# Altium PCB Fast_Servo.PCBDOC (part 5 of 7) (continued)
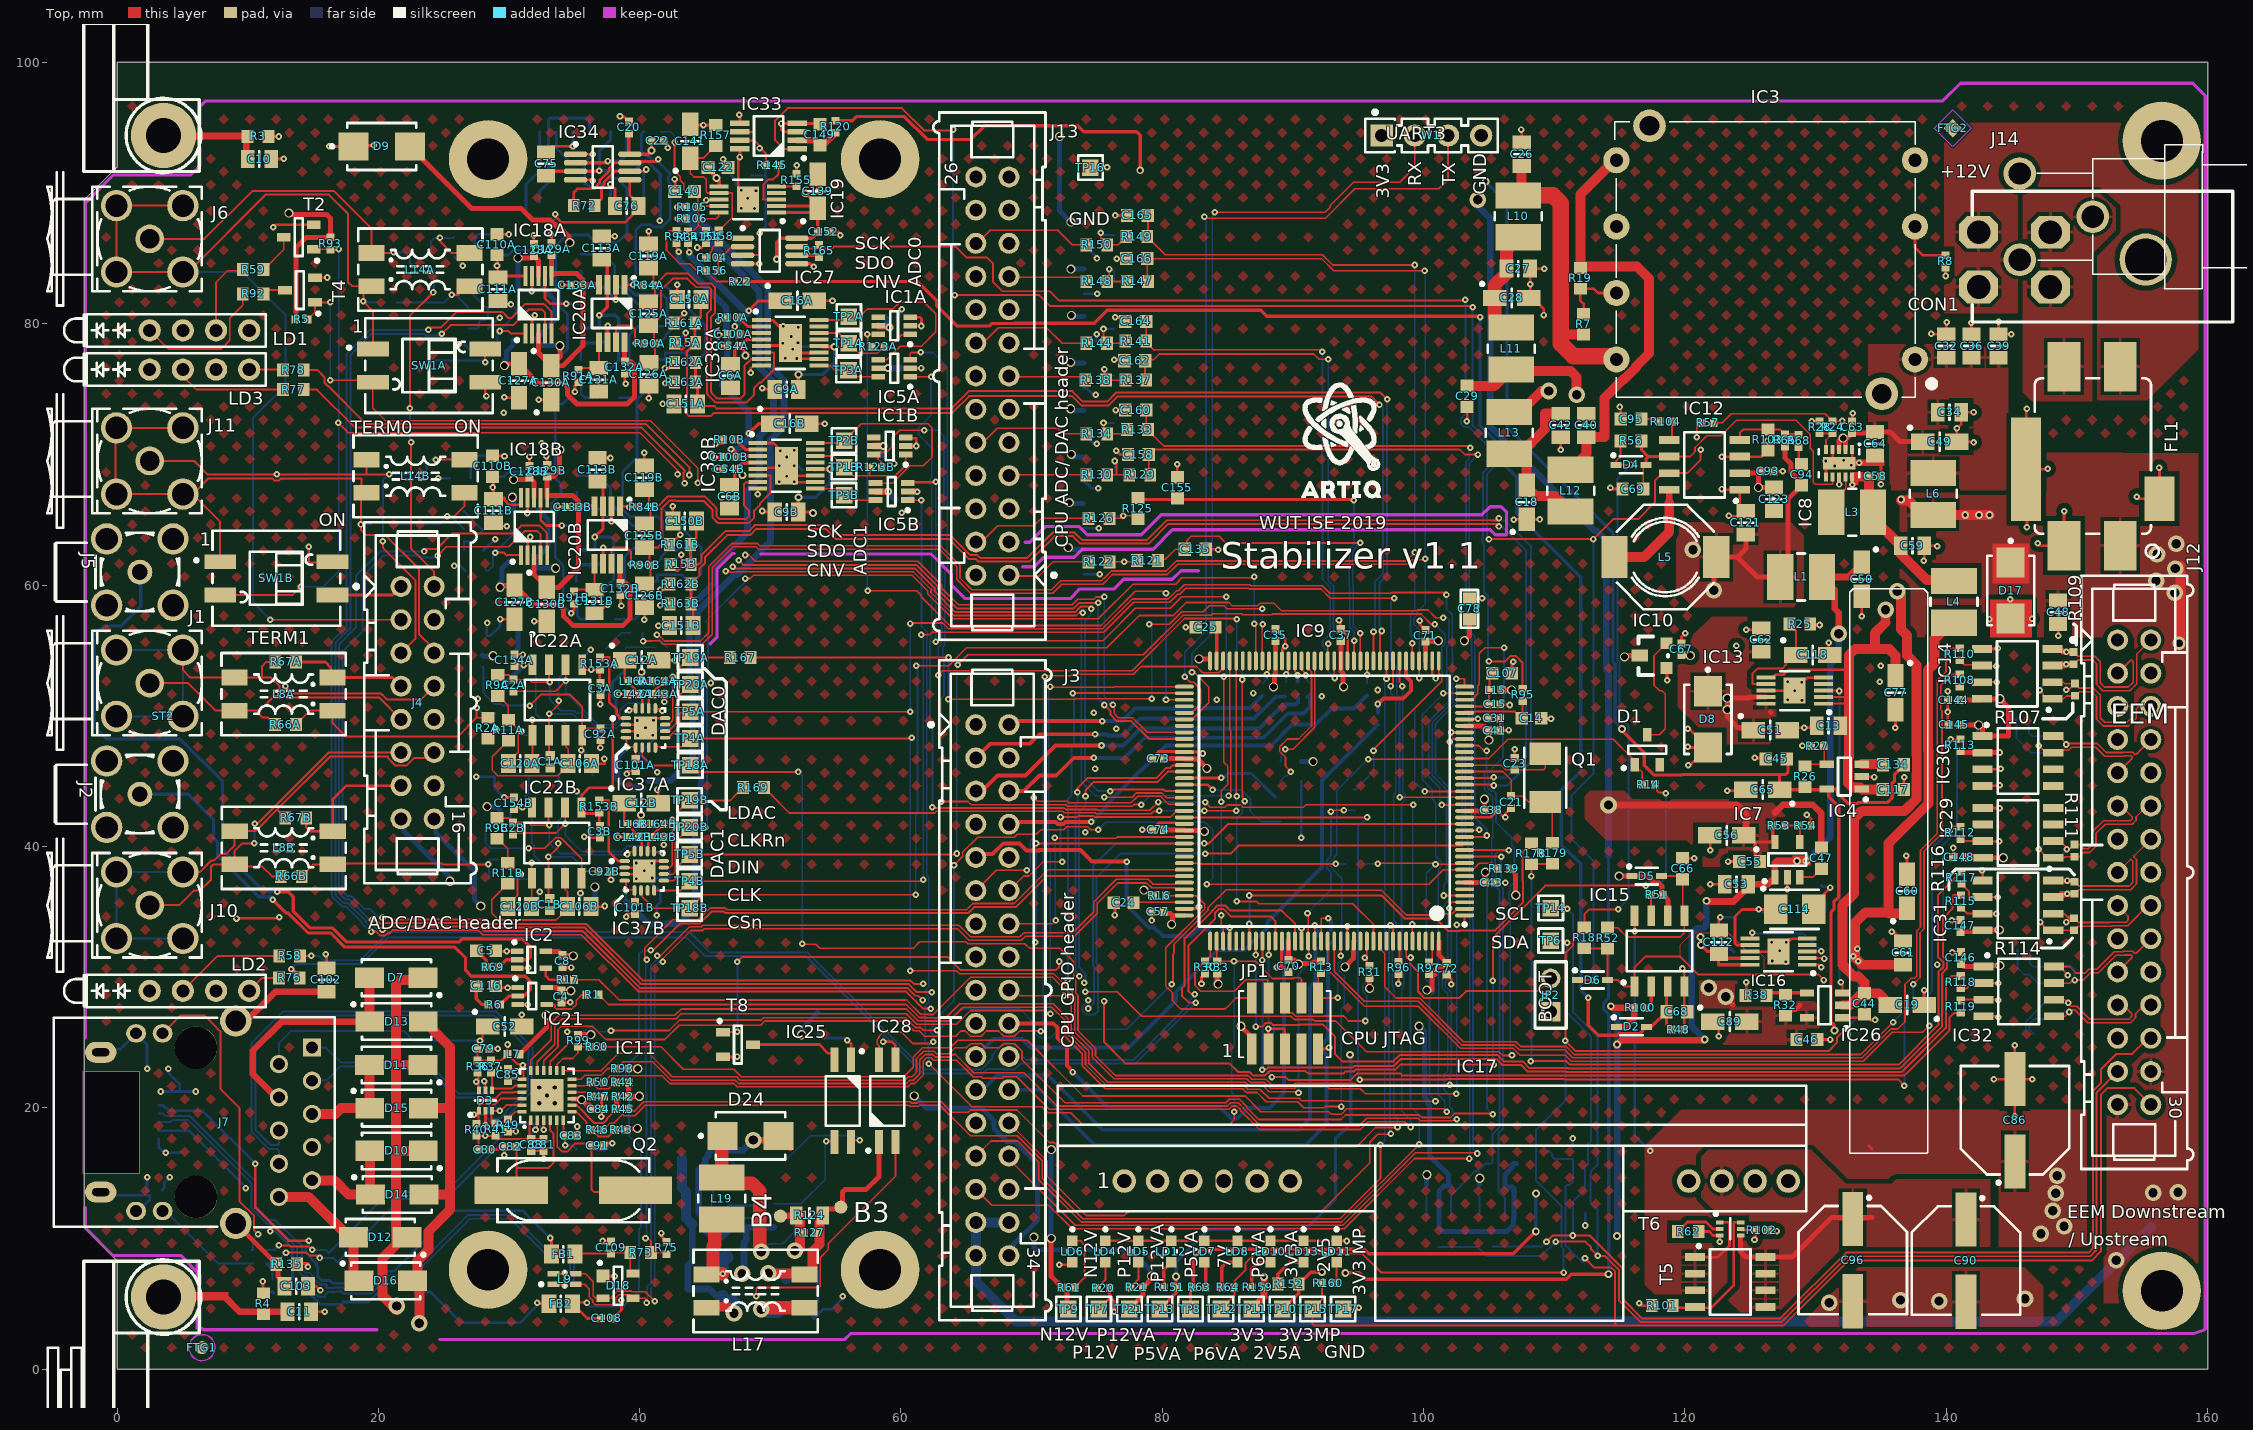
[diagram p0: Top view]
## Nets (pads, with @x,y where several pads share a name; then routed paths per layer and width w, separated by ;. In a path a pad name is that pad's centre, name@x,y a point inside that pad or via, vN(x,y) a via of type N, cw(c..) or ccw(c..) an arc to the next point about the centre after c; other vN are vias at no path point) (continued)
  Bot w0.152: v1(27.531,50.614) 27.986,50.159 D21A.3@28.981,50.159
NetD21B_3: D21B.3 L8B.1 R2B.2 R66B.1 | length 16.9
  Top w0.152: R66B.1@14.135,37.704 14.135,37.754 14.509,38.128 14.559,38.128 14.93,38.499 14.93,38.536 15.019,38.626 L8B.1@16.507,38.626 16.585,38.704 24.867,38.704 24.945,38.626 28.419,38.626 v1(28.427,38.633)
  Bot w0.152: R2B.2@28.457,37.5 28.473,37.516 28.473,38.928 28.555,39.009 D21B.3@29.157,39.009
NetD23_3: D23.3 R121.2 R122.1 | length 3
  Top w0.127: R122.1@75.95,61.777 v1(77.1,61.777) 77.9,61.777 R121.2@78.05,61.627
  Bot w0.127: D23.3@76.3,61.777 v1(77.1,61.777)
NetD25_3: D25.3 R125.2 R126.1 | length 3.1
  Top w0.127: R126.1@75.95,65.106 76.825,65.106 v1(77.025,65.306) 77.7,65.306 R125.2@78.05,64.956
  Bot w0.127: D25.3@76.225,65.306 v1(77.025,65.306)
NetD27_3: D27.3 R129.2 R130.1 | length 3.5
  Top w0.127: R130.1@75.779,68.436 76.5,68.436 ; v1(76.375,69.5) 76.5,69.375 76.5,68.436 ; R129.2@77.475,68.436 76.5,68.436
  Bot w0.127: D27.3@76.3,68.862 76.375,68.937 v1(76.375,69.5)
NetD29_3: D29.3 R133.2 R134.1 | length 3.4
  Top w0.127: v1(75.5,72.412) 75.5,71.859 R134.1@75.779,71.58 76.982,71.58 R133.2@77.3,71.898
  Bot w0.127: v1(75.5,72.412) D29.3@76.3,72.412
NetD31_3: D31.3 R137.2 R138.1 | length 3.3
  Top w0.127: v1(75.575,76.534) 75.575,75.812 R138.1@75.7,75.687 R137.2@77.175,75.687
  Bot w0.127: v1(75.575,76.534) 76.075,76.034 D31.3@76.3,76.034
NetD33_3: D33.3 R141.2 R144.1 | length 3.5
  Top w0.127: v1(75.5,79.605) 75.5,78.787 R144.1@75.775,78.512 R141.2@77.25,78.512
  Bot w0.127: v1(75.5,79.605) D33.3@76.325,79.605
NetD34_3: D34.3 R149.2 R150.1 | length 4
  Top w0.127: v1(75.3,86.966) 75.3,86.52 R150.1@75.779,86.041 76.625,86.041 R149.2@77.25,86.666
  Bot w0.127: v1(75.3,86.966) 75.475,86.791 D34.3@76.325,86.791
NetD35_3: D35.3 R147.2 R148.1 | length 3.8
  Top w0.127: v1(75.95,84.191) 75.95,83.412 R148.1@75.779,83.241 R147.2@77.3,83.241
  Bot w0.127: v1(75.95,84.191) 76.178,84.191 76.325,84.044 D35.3@76.325,83.241
NetFB1_2: FB1.2 J9.1 | length 43.4
  Top w0.203: v1(10.592,15.72) 10.588,15.717 10.588,12.364 13.123,9.83 v1(14.681,9.83) ; v1(33.155,10.033) 33.25,9.938 FB1.2@33.25,8.799
  Bot w0.203: J9.1@3.2,20.195 3.525,20.195 3.623,20.097 3.623,20.093 3.742,19.974 3.82,19.974 4.029,19.765 6.547,19.765 v1(10.592,15.72) ; v1(14.681,9.83) 14.628,9.776 14.628,9.505 14.451,9.329 14.451,8.932 14.941,8.442 14.941,8.397 15.263,8.076 15.263,7.871 15.371,7.763 15.371,7.066 15.651,6.786 16.299,6.786 16.506,6.579 19.416,6.579 20.314,7.477 21.165,7.477 25.804,12.116 31.073,12.116 v1(33.155,10.033)
NetFB2_2: FB2.2 J9.4 | length 40.2
  Top w0.203: v1(32.156,5.08) 32.156,5.022 32.178,5 FB2.2@33.072,5
  L3 w0.203: v1(9.855,13.843) 9.855,12.857 11.735,10.977 v1(11.735,10.541)
  Bot w0.203: J9.4@3.2,18.245 5.494,18.245 9.855,13.884 v1(9.855,13.843) ; v1(11.735,10.541) 12.117,10.541 13.416,9.242 13.411,9.237 13.411,8.594 13.437,8.569 13.437,7.081 15.561,4.957 17.14,4.957 17.317,5.134 19.264,5.134 20.693,6.563 22.132,6.563 22.793,5.901 23.995,5.901 26.352,3.544 30.848,3.544 32.156,4.853 v1(32.156,5.08)
NetIC1A_1: IC1A.1 IC38A.14 R123A.1 TP1A.1 | length 8.2
  Top w0.127: IC38A.14@53.737,79.294 55.229,79.294 TP1A.1@56.007,78.516 56.787,77.736 58.207,77.736 58.461,77.99 58.486,77.99 58.712,78.216 R123A.1@58.712,78.236 59.143,78.236 60.06,79.154 60.651,79.154 IC1A.1@60.701,79.204
NetIC1B_1: IC1B.1 IC38B.14 R123B.1 TP1B.1 | length 9.4
  Top w0.127: IC38B.14@53.439,69.883 54.801,69.883 TP1B.1@55.652,69.032 56.311,68.372 57.546,68.372 ; R123B.1@57.589,69.008 57.589,68.415 57.546,68.372 ; IC1B.1@60.356,69.997 60.356,69.17 59.559,68.372 57.546,68.372
NetIC2_2: IC2.2 J5.1 R69.2 | length 62.2
  Top w0.254: v1(12.268,36.535) 13.095,36.535 13.487,36.142 13.487,35.059 14.79,33.757 16.515,33.757 17.589,32.683 26.163,32.683 26.416,32.936 27.821,32.936 27.846,32.912 31.044,32.912 31.633,32.323 31.633,31.538 31.418,31.323 IC2.2@30.618,31.323 29.787,31.323 R69.2@29.223,30.76
  Bot w0.254: J5.1@1.25,61.062 1.829,60.483 1.829,58.395 0.305,56.871 -1.016,56.871 -1.778,56.109 -1.778,49.194 -0.801,48.217 4.844,48.217 8.077,44.983 8.077,39.736 11.279,36.535 v1(12.268,36.535)
NetIC2_4: IC2.4 R17.1 | length 1.9
  Top w0.203: IC2.4@32.818,30.673 32.818,30.077 33.099,29.796 R17.1@34.037,29.796
NetIC3_2: IC3.2 R8.2 | length 4.2
  Top w0.203: IC3.2@137.61,87.436 137.61,85.838 138.198,85.25 R8.2@139.95,85.25
NetIC3_6: IC3.6 R7.1 R19.2 | length 4.9
  Top w0.203: R7.1@112.25,80.776 112.25,81.513 112,81.763 R19.2@112,82.676 113.029,82.676 113.349,82.356 IC3.6@114.75,82.356
NetIC4_4: IC4.4 R26.1 R27.2 | length 3.3
  Top w0.127: R26.1@129.192,46.146 129.342,46.296 IC4.4@130.842,46.296 130.672,46.466 R27.2@130.672,47.846
NetIC5A_4: IC5A.4 IC38A.16 TP2A.1 | length 16.5
  Top w0.127: IC38A.16@53.737,80.294 55.746,80.294 TP2A.1@56.007,80.555 56.857,80.555 57.429,81.128 59.372,81.128 59.899,81.654 61.783,81.654 62.662,80.775 62.662,79.39 61.566,78.294 59.956,78.294 58.913,77.25 IC5A.4@58.251,77.25
NetIC5A_6: IC5A.6 IC38A.9 TP3A.1 | length 4.7
  Top w0.127: IC38A.9@53.901,76.791 54.604,76.791 54.936,76.459 TP3A.1@55.982,76.459 56.491,75.95 IC5A.6@58.251,75.95
NetIC5B_4: IC5B.4 IC38B.16 TP2B.1 | length 17.1
  Top w0.127: IC38B.16@53.439,70.883 55.477,70.883 TP2B.1@55.652,71.057 56.952,72.358 62.065,72.358 62.375,72.047 62.375,69.794 61.706,69.124 60.67,69.124 59.353,67.808 IC5B.4@58.059,67.808
NetIC5B_6: IC5B.6 IC38B.9 TP3B.1 | length 5.1
  Top w0.127: IC38B.9@53.325,67.372 IC38B.9@53.439,67.372 ; IC38B.9@53.439,67.383 55.151,67.383 TP3B.1@55.652,66.882 56.026,66.508 IC5B.6@58.059,66.508
NetIC7_4: IC7.4 R53.1 R54.2 | length 2.3
  Top w0.152: R53.1@127.662,41.596 R54.2@128.722,41.596 128.792,41.525 IC7.4@128.792,40.345
NetIC8_5: IC8.5 R24.1 R28.2 | length 2.4
  Top w0.127: R28.2@130.3,71.608 R24.1@131.3,71.608 130.8,71.108 IC8.5@130.8,70.378
NetIC9_37: IC9.37 R176.1 | length 13
  Top w0.127: v1(96.164,47.321) 96.064,47.321 101.379,52.636 101.379,53.038 101.159,53.258 IC9.37@101.159,54.202
  Bot w0.127: R176.1@94.64,44.386 R176.1@94.717,44.31 94.728,44.299 96.19,45.761 96.19,47.296 v1(96.164,47.321)
NetIC9_42: IC9.42 R136.1 | length 6
  Top w0.298: v1(96.495,50.902) 96.926,51.333 98.439,51.333 99.022,51.917 99.022,52.636 98.659,52.999 IC9.42@98.659,54.202
  Bot w0.298: R136.1@96.495,50.254 v1(96.495,50.902)
NetIC9_48: IC9.48 R12.2 | length 1.7
  Top w0.127: IC9.48@95.659,54.202 95.664,54.197 95.664,53.157 v1(95.669,53.152)
  Bot w0.127: v1(95.669,53.152) 95.669,52.514 R12.2@95.676,52.507
NetIC9_58: IC9.58 R186.1 | length 1.7
  Top w0.127: IC9.58@90.659,54.202 90.659,53.58 90.728,53.512 90.728,53.468 v1@90.911,53.284
  Bot w0.127: v1@90.907,53.035 90.92,53.035 91.041,52.914 91.041,52.766 91.268,52.54 R186.1@91.288,52.54
  other v1: 90.983,53.086
NetIC9_59: IC9.59 R187.1 | length 1.6
  Top w0.127: IC9.59@90.094,53.975 90.16,53.909 90.16,53.401 90.227,53.334 90.227,53.308 90.348,53.187 v1(90.348,53.086)
  Bot w0.127: v1(90.348,53.086) 90.348,52.563 R187.1@90.376,52.535
NetIC9_60: IC9.60 R188.1 | length 1.7
  Top w0.127: v1(89.484,53.162) 89.484,53.263 89.635,53.414 89.635,54.178 IC9.60@89.659,54.202
  Bot w0.127: R188.1@89.425,52.535 89.484,52.594 89.484,53.111 v1@89.51,53.137
NetIC9_63: IC9.63 R189.1 | length 1.9
  Top w0.127: v1(87.986,53.188) 87.986,53.289 88.126,53.429 88.126,54.169 IC9.63@88.159,54.202
  Bot w0.127: R189.1@87.681,52.489 87.701,52.489 87.927,52.716 87.927,52.736 88.013,52.821 88.013,53.164 v1@88.036,53.188
NetIC9_100: IC9.100 R177.2 | length 12.4
  Top w0.127: IC9.100@81.684,38.727 82.705,38.727 82.773,38.659 v1(93.269,38.659)
  Bot w0.127: v1(93.269,38.659) R177.2@94.044,38.659
NetIC9_112: IC9.112 R185.2 | length 1.7
  Top w0.298: IC9.112@85.159,32.752 85.159,33.778 v1(85.16,33.78)
  Bot w0.298: R185.2@84.541,33.637 84.645,33.741 85.122,33.741 v1(85.16,33.78)
NetIC9_115: IC9.115 R178.2 | length 31.3
  Top w0.152: IC9.115@86.659,32.752 v1(86.659,34.08) ; v1(86.659,36.246) 96.795,36.246 98.557,34.484 100.923,34.484 101.86,33.547 102.736,33.547 102.773,33.584 105.484,33.584 107.6,35.7 107.6,37.368 107.552,37.417 107.552,39.543 107.831,39.822 107.831,39.872 108.205,40.246 R178.2@108.255,40.246
  Bot w0.152: v1(86.659,34.08) v1(86.659,36.246)
NetIC9_123: IC9.123 R128.1 | length 2.4
  Top w0.127: v1(90.654,33.738) 90.657,33.735 90.657,32.754 IC9.123@90.659,32.752
  Bot w0.127: R128.1@90.516,32.918 90.516,33.499 90.654,33.637 v1(90.654,33.738)
  Bot w0.298: R128.1@90.641,33.118 v1@90.641,33.674
NetIC9_125: IC9.125 R131.2 | length 2.2
  Top w0.127: IC9.125@91.659,32.752 v1(91.659,33.974)
  Bot w0.298: v1(91.659,33.974) v1@91.734,33.899 ; v1@91.696,33.937 91.865,33.768 R131.2@91.865,33.132
NetIC9_126: IC9.126 R132.2 | length 3.3
  Top w0.127: IC9.126@92.159,32.752 92.159,34.482 92.193,34.516 v1(92.697,34.516)
  Bot w0.298: v1(92.697,34.516) 92.922,34.29 R132.2@92.922,33.615
NetIC9_138: IC9.138 JP2.2 R96.1 | length 15.9
  Top w0.152: IC9.138@98.159,32.752 98.159,31.246 R96.1@98.089,31.176 98.218,31.047 98.941,31.047 99.568,30.42 99.568,28.899 100.065,28.403 102.734,28.403 103.259,28.927 108.756,28.927 JP2.2@109.728,29.899
NetIC9_143: IC9.143 R97.1 | length 1.6
  Top w0.127: R97.1@100.659,31.114 IC9.143@100.659,32.752
NetIC11_7: IC11.7 R43.2 R46.2 | length 4.5
  Top w0.152: IC11.7@34.805,19.695 35.143,19.695 35.914,18.924 35.914,18.745 36.731,17.929 36.731,17.919 36.85,17.8 37.598,17.8 38.119,18.321 R43.2@38.119,18.394
NetIC11_8: IC11.8 R42.2 R45.2 | length 5.4
  Top w0.152: IC11.8@34.805,20.195 35.202,20.195 35.857,19.541 35.857,19.501 36.506,18.851 37.246,18.851 37.512,19.116 37.512,19.185 R45.2@38.221,19.895
  Top w0.381: R45.2@38.221,19.895 R42.2@38.221,20.855
NetIC11_10: IC11.10 R47.1 | length 1.7
  Top w0.127: IC11.10@34.805,21.195 36.021,21.195 R47.1@36.361,20.855
NetIC11_11: IC11.11 R44.2 R50.2 | length 3.9
  Top w0.127: IC11.11@34.805,21.695 36.068,21.695 R50.2@36.318,21.946 36.819,21.445 37.627,21.445 38.127,21.945 R44.2@38.211,21.945
NetIC11_14: IC11.14 R60.2 R99.2 | length 3.9
  Top w0.127: IC11.14@33.655,22.845 33.655,23.29 34.13,23.765 34.86,23.765 35.286,24.191 R99.2@35.286,24.66 R60.2@36.231,24.66
NetIC11_24: IC11.24 R49.1 | length 1.3
  Top w0.152: R49.1@29.917,19.122 30.491,19.695 IC11.24@31.005,19.695
NetIC12_4: IC12.4 R65.1 R68.1 R103.1 | length 5.3
  Top w0.152: IC12.4@124.199,71.108 124.199,71.662 124.445,71.908 R103.1@126.346,71.908 127.289,71.908 R65.1@127.649,71.548 128.666,71.548 R68.1@128.701,71.513
NetIC12_5: IC12.5 R104.2 | length 1.5
  Top w0.152: IC12.5@118.799,71.108 119.011,71.32 R104.2@119.011,72.508
NetIC14_6: IC14.6 IC23.3 R110.2 | length 4.1
  Top w0.127: R110.2@141.035,54.236 141.374,53.898 142.675,53.898 IC14.6@142.732,53.841 142.788,53.785 v1(143.84,53.785)
  Bot w0.127: IC23.3@142.732,53.841 143.784,53.841 v1(143.84,53.785)
NetIC14_7: IC14.7 IC23.2 R108.2 | length 4.1
  Top w0.127: R108.2@141.035,52.236 141.37,52.571 IC14.7@142.732,52.571 142.744,52.583 v1(143.866,52.583)
  Bot w0.127: IC23.2@142.732,52.571 143.854,52.571 v1(143.866,52.583)
NetIC15_2: IC15.2 R100.1 | length 1.8
  Top w0.254: R100.1@117.05,27.648 117.419,28.017 IC15.2@117.419,29.289
NetIC17_3: IC17.3 IC28.2 | length 62.5
  Top w0.127: v1(48.92,5.588) 48.92,6.172 48.998,6.25 53.736,6.25 53.81,6.324 53.81,8.521 54.445,9.156 54.445,9.614 59.582,14.751 IC28.2@59.582,17.374
  L3 w0.127: v1@48.92,5.661 48.273,5.013 48.273,3.848 50.838,1.283 70.788,1.283 80.709,11.203 80.709,12.926 IC17.3@82.174,14.391
NetIC18A_7: IC18A.7 RN1A.1 | length 4.6
  Top w0.203: IC18A.7@32.761,83.659 32.761,81.944 33.18,81.525 v1(34.37,81.525)
  Bot w0.203: v1(34.37,81.525) RN1A.1@35.517,81.525
NetIC18B_7: IC18B.7 RN1B.1 | length 4.6
  Top w0.203: IC18B.7@32.427,66.695 32.427,64.979 32.846,64.56 v1(34.036,64.56)
  Bot w0.203: v1(34.036,64.56) RN1B.1@35.183,64.56
NetIC19_3: IC19.3 R145.1 | length 4.1
  Top w0.152: IC19.3@50.487,89.515 49.45,89.515 49.461,89.526 49.461,90.651 49.835,91.026 50.196,91.026 50.625,91.455 50.625,91.865 R145.1@50.67,91.91
NetIC19_5: IC19.5 R155.2 | length 1.5
  Top w0.152: IC19.5@50.487,90.515 51.985,90.515 R155.2@52,90.53
NetIC20A_1: IC20A.1 R84A.1 R170A.1 RN1A.7 RN2A.7 | length 15.6
  Top w0.203: IC20A.1@38.83,83.001 v1(39.522,83.001) 40.161,83.001 R84A.1@40.222,82.939
  Bot w0.203: v1(39.522,83.001) 40.712,83.001 RN1A.7@40.917,82.795 42.118,82.795 45.038,79.875 45.038,77.813 R170A.1@44.268,77.043 43.54,77.772 41.968,77.772 41.968,77.264 RN2A.7@40.88,77.264
NetIC20A_2: IC20A.2 RN1A.2 RN1A.3 | length 5.5
  Top w0.254: v1(38.18,81.836) IC20A.2@38.18,83.001
  Bot w0.203: RN1A.2@35.517,82.795 RN1A.3@35.517,84.065
  Bot w0.254: RN1A.2@35.517,82.795 37.22,82.795 v1(38.18,81.836)
NetIC20A_6: IC20A.6 RN2A.2 RN2A.3 | length 5.7
  Top w0.254: IC20A.6@37.53,78.601 37.53,79.819 v1(37.549,79.837)
  Bot w0.203: RN2A.2@35.48,77.264 RN2A.3@35.48,78.534
  Bot w0.254: RN2A.3@35.48,78.534 37.177,78.534 37.549,78.905 v1(37.549,79.837)
NetIC20A_7: IC20A.7 R90A.1 R171A.1 RN2A.6 | length 10.6
  Top w0.152: IC20A.7@38.18,78.601 38.18,79.714 38.32,79.854 39.34,79.854 39.655,79.54 v1@39.655,78.552 ; v1(39.691,78.516) 40.264,78.516 R90A.1@40.293,78.486
  Bot w0.203: v1(39.691,78.516) 39.71,78.534 RN2A.6@40.88,78.534 41.523,78.534 41.99,79.001 41.99,79.144 42.5,79.654 43.193,79.654 43.316,79.778 43.898,79.778 44.268,79.408 R171A.1@44.268,78.549
NetIC20B_1: IC20B.1 R84B.1 R170B.1 RN1B.7 RN2B.7 | length 15.5
  Top w0.203: IC20B.1@38.495,66.036 39.827,66.036 R84B.1@39.888,65.974
  Bot w0.203: v1(39.192,65.964) 39.326,65.83 RN1B.7@40.583,65.83 41.784,65.83 44.704,62.91 44.704,60.848 R170B.1@43.934,60.078 43.205,60.807 41.37,60.807 41.37,60.299 RN2B.7@40.545,60.299
NetIC20B_2: IC20B.2 RN1B.2 RN1B.3 | length 5.5
  Top w0.254: v1(37.845,64.871) IC20B.2@37.845,66.036
  Bot w0.203: RN1B.2@35.183,65.83 RN1B.3@35.183,67.1
  Bot w0.254: RN1B.2@35.183,65.83 36.886,65.83 v1(37.845,64.871)
NetIC20B_6: IC20B.6 RN2B.2 RN2B.3 | length 5.7
  Top w0.254: IC20B.6@37.195,61.636 37.195,62.854 v1(37.214,62.873)
  Bot w0.203: RN2B.2@35.145,60.299 RN2B.3@35.145,61.569
  Bot w0.254: RN2B.3@35.145,61.569 36.843,61.569 37.214,61.941 v1(37.214,62.873)
NetIC20B_7: IC20B.7 R90B.1 R171B.1 RN2B.6 | length 10.6
  Top w0.152: IC20B.7@37.845,61.636 37.845,62.749 37.986,62.889 39.006,62.889 39.32,62.575 v1(39.32,61.588) 39.815,61.588 R90B.1@39.888,61.515
  Bot w0.203: v1(39.32,61.588) 39.338,61.569 RN2B.6@40.545,61.569 41.189,61.569 41.655,62.036 41.655,62.179 42.166,62.689 42.858,62.689 42.982,62.813 43.564,62.813 43.934,62.443 R171B.1@43.934,61.584
NetIC21_2: IC21.2 J2.1 R6.2 | length 41.8
  Top w0.254: v1(11.913,35.922) 12.934,34.901 13.106,34.901 14.632,33.376 16.358,33.376 17.431,32.302 25.834,32.302 26.674,31.462 26.674,30.527 27.13,30.071 31.234,30.071 31.633,29.673 31.633,29.048 31.133,28.548 IC21.2@30.675,28.548 29.987,28.548 R6.2@29.337,27.898
  Bot w0.254: J2.1@1.25,44 J2.1@1.75,44 5.445,44 7.391,42.053 7.391,40.627 7.696,40.322 7.696,39.305 10.847,36.154 11.864,36.154 11.913,36.106 v1(11.913,35.922)
NetIC21_4: IC21.4 R1.1 | length 4
  Top w0.127: IC21.4@32.857,27.898 IC21.4@32.875,27.898 33.497,27.898 33.518,27.878 33.518,27.669 33.629,27.558 34.81,27.558 35.137,27.885 35.137,28.216 35.573,28.653 R1.1@35.926,28.653
NetIC25_1: IC25.1 R168.1 | length 4.1
  Top w0.203: v1(55.9,25.16) 56.185,24.875 IC25.1@56.185,23.674
  Bot w0.203: R168.1@53.646,25.687 53.995,25.339 55.641,25.339 55.819,25.16 v1(55.9,25.16)
NetIC25_2: IC25.2 T8.3 | length 6.9
  Top w0.203: T8.3@48.675,24.841 53.747,24.841 54.429,24.16 54.716,24.16 54.915,23.961 IC25.2@54.915,23.674
NetIC25_4: IC25.4 R140.1 R146.2 | length 13
  Top w0.127: IC25.4@56.185,17.374 56.337,17.526 v1(56.845,17.526)
  Bot w0.127: R140.1@47.231,14.503 47.231,15.702 R146.2@47.045,15.888 47.27,16.113 51.318,16.113 53.073,17.867 54.098,17.867 54.103,17.872 56.499,17.872 v1(56.845,17.526)
NetIC26_4: IC26.4 R32.1 R38.2 | length 3.2
  Top w0.254: R38.2@126.242,28.596 126.442,28.796 IC26.4@129.342,28.796
NetIC27_6: IC27.6 R165.1 | length 1.8
  Top w0.254: IC27.6@52.03,85.25 53.59,85.25 R165.1@53.735,85.105
NetIC29_7: IC29.7 IC36.2 R112.2 | length 4.3
  Top w0.152: R112.2@141.086,40.571 141.251,40.406 IC29.7@142.793,40.406 142.812,40.386 v1(144.057,40.386)
  Bot w0.152: IC36.2@142.792,40.406 143.978,40.406 143.997,40.386 v1(144.057,40.386)
NetIC30_2: IC30.2 IC39.7 R113.2 | length 4.4
  Top w0.381: R113.2@141.086,47.271 141.181,47.176 IC30.2@142.783,47.176 144.08,47.176 v1(144.094,47.19)
  Bot w0.381: IC39.7@142.791,47.176 144.08,47.176 v1(144.094,47.19)
NetIC31_6: IC31.6 IC40.3 R117.2 | length 4.6
  Top w0.152: R117.2@141.151,37.135 141.159,37.135 141.733,36.561 141.733,36.206 141.818,36.12 IC31.6@142.783,36.12 143.931,36.12 v1(143.933,36.119)
  Bot w0.152: IC40.3@142.783,36.12 142.784,36.119 v1(143.933,36.119)
NetIC31_7: IC31.7 IC40.2 R115.2 | length 4
  Top w0.152: R115.2@141.126,35.328 141.146,35.328 141.624,34.85 IC31.7@142.783,34.85 v1(143.84,34.85)
  Bot w0.152: IC40.2@142.783,34.85 v1(143.84,34.85)
NetIC32_2: IC32.2 IC41.7 R118.2 | length 4.2
  Top w0.152: R118.2@141.111,29.144 141.558,29.144 141.955,29.541 IC32.2@142.843,29.541 v1(143.993,29.54)
  Bot w0.152: IC41.7@142.843,29.541 v1(143.993,29.54)
NetIC32_3: IC32.3 IC41.6 R119.2 | length 4.1
  Top w0.152: R119.2@141.111,28.212 141.17,28.271 IC32.3@142.843,28.271 143.968,28.271 v1(143.993,28.245)
  Bot w0.152: IC41.6@142.843,28.271 143.898,28.271 143.915,28.254 143.985,28.254 v1(143.993,28.245)
NetIC34_2: IC34.2 RN4.6 | length 5.9
  Top w0.254: IC34.2@35.096,92.326 37.415,92.326 v1(37.545,92.456)
  Bot w0.254: v1(37.545,92.456) 38.464,92.456 39.036,93.028 RN4.6@39.036,94.701
NetIC34_6: IC34.6 R72.1 RN4.2 | length 8.6
  Top w0.203: R72.1@36.565,89.04 37.084,89.559 37.084,90.476 37.288,90.679 37.288,90.868 37.568,91.148 37.592,91.148 38.12,91.676 IC34.6@39.246,91.676 40.368,91.676 v1(40.503,91.811)
  Bot w0.203: RN4.2@40.306,89.301 40.306,91.911 40.343,91.948 40.481,91.811 v1(40.503,91.811)
NetIC37A_1: IC37A.1 R153A.1 | length 6.2
  Top w0.203: R153A.1@36.952,54.46 37.686,54.46 37.686,51.029 38.248,50.466 38.248,50.14 38.429,49.959 38.429,49.844 38.452,49.82 IC37A.1@38.998,49.82
NetIC37B_1: IC37B.1 R153B.1 | length 6.3
  Top w0.203: R153B.1@36.907,43.522 37.641,43.522 37.641,39.59 38.349,38.882 IC37B.1@38.953,38.882
NetIC38A_2: IC38A.2 R10A.2 | length 2.4
  Top w0.254: R10A.2@47.597,80.481 48.284,79.794 IC38A.2@49.337,79.794 ; IC38A.2@48.807,79.77 49.167,79.77 IC38A.2@49.171,79.766
NetIC38B_2: IC38B.2 R10B.2 | length 2.2
  Top w0.254: R10B.2@47.32,71.133 48.07,70.383 IC38B.2@49.039,70.383 ; IC38B.2@49.039,70.376 49.171,70.376 IC38B.2@49.175,70.372
NetJ7_L1: J7.L1 R35.2 | length 23.7
  Top w0.152: J7.L1@3.49,25.695 4.84,27.046 6.711,27.046 7.687,26.07 7.687,26.059 7.923,25.823 7.923,21.43 9.363,19.99 9.363,12.862 10.493,11.732 10.493,10.614 v1(10.795,10.312)
  Bot w0.152: R35.2@10.287,9.103 10.35,9.103 10.411,9.164 10.411,9.928 v1(10.795,10.312)
NetJ7_L3: J7.L3 R39.2 | length 8.6
  Bot w0.152: J7.L3@3.49,12.095 3.729,12.095 7.724,8.1 R39.2@10.452,8.1
NetL14A_3: L14A.3 R86A.2 R87A.1 | length 7.8
  Top w0.152: v1(25.623,82.222) 26.131,82.222 26.782,82.874 L14A.3@26.971,82.874
  Bot w0.152: R86A.2@21.401,81.644 25.044,81.644 v1(25.623,82.222) 25.913,82.222 R87A.1@26.901,81.234
NetL14A_4: L14A.4 R79A.2 R80A.1 | length 5.7
  Top w0.152: v1(24.718,86.572) 24.718,86.302 25.606,85.414 L14A.4@26.971,85.414
  Bot w0.152: R79A.2@24.022,85.414 24.022,86.277 24.317,86.572 v1(24.718,86.572) 25.729,86.572 R80A.1@25.801,86.644
NetL14B_3: L14B.3 R86B.2 R87B.1 | length 8.8
  Top w0.152: v1(25.288,65.258) 25.796,65.258 26.601,66.063 L14B.3@26.601,67.068
  Bot w0.152: R86B.2@21.067,64.679 24.71,64.679 v1(25.288,65.258) 25.579,65.258 R87B.1@26.567,64.27
NetL14B_4: L14B.4 R79B.2 R80B.1 | length 5
  Top w0.152: v1(24.384,69.608) L14B.4@26.601,69.608
  Bot w0.152: R79B.2@23.687,68.449 23.687,69.28 24.015,69.608 v1(24.384,69.608) 25.395,69.608 R80B.1@25.467,69.679
NetLD2_2: LD2.2 R58.1 | length 8.5
  Top w0.152: LD2.2@5.04,28.95 7.715,31.625 R58.1@12.411,31.625
NetLD2_4: LD2.4 R76.1 | length 2.7
  Top w0.152: LD2.4@10.12,28.95 11.11,29.94 R76.1@12.392,29.94
NetLD3_2: LD3.2 R77.1 | length 8.6
  Top w0.127: LD3.2@5.04,76.5 5.04,75.983 6.053,74.969 R77.1@12.7,74.969
NetLD3_4: LD3.4 R78.1 | length 2.6
  Top w0.127: LD3.4@10.12,76.5 12.649,76.5 R78.1@12.7,76.449
NetLD4_2: LD4.2 R20.1 | length 2.2
  Top w0.152: R20.1@75.024,6.2 75.648,6.824 LD4.2@75.648,8.173
NetLD5_2: LD5.2 R21.1 | length 2.2
  Top w0.152: R21.1@77.568,6.25 78.175,6.856 LD5.2@78.175,8.173
NetLD6_1: LD6.1 R61.1 | length 4.6
  Top w0.152: LD6.1@73.122,9.823 73.743,9.823 74.041,9.525 74.041,6.977 R61.1@73.304,6.241
NetLD7_2: LD7.2 R63.2 | length 2
  Top w0.254: LD7.2@83.228,8.173 83.315,8.086 R63.2@83.315,6.25
NetLD8_2: LD8.2 R64.2 | length 2.9
  Top w0.254: R64.2@84.549,6.25 84.549,7.81 84.911,8.173 LD8.2@85.755,8.173
NetLD10_2: LD10.2 R159.2 | length 3.1
  Top w0.254: R159.2@86.845,6.25 86.845,7.698 87.319,8.173 LD10.2@88.281,8.173
NetLD11_2: LD11.2 R160.2 | length 1.7
  Top w0.152: R160.2@93.214,6.491 93.334,6.611 LD11.2@93.334,8.173
NetLD12_2: LD12.2 R151.2 | length 2.2
  Top w0.254: R151.2@80.119,6.25 80.119,7.591 LD12.2@80.701,8.173
NetLD13_2: LD13.2 R152.1 | length 3.1
  Top w0.254: R152.1@88.845,6.5 88.845,7.26 89.757,8.173 LD13.2@90.808,8.173
NetR15A_2: R15A.2 R171A.2 | length 3.3
  Top w0.203: R15A.2@42.668,78.549 43.143,78.074 43.26,78.074 43.514,78.328 v1(43.514,79.299)
  Bot w0.203: R171A.2@42.668,78.549 42.764,78.549 v1(43.514,79.299)
NetR15B_2: R15B.2 R171B.2 | length 3.3
  Top w0.203: R15B.2@42.334,61.585 42.809,61.109 42.926,61.109 43.18,61.364 v1(43.18,62.334)
  Bot w0.203: R171B.2@42.334,61.584 42.43,61.584 v1(43.18,62.334)
NetR29_1: R29.1 R142.2 | length 1.1
  Bot w0.254: R29.1@128.669,34.951 R142.2@129.756,34.951
NetR59_2: R59.2 T2.3 | length 3.1
  Top w0.127: R59.2@11.22,84.144 12.757,85.681 T2.3@12.757,86.643
NetR62_1: R62.1 T6.2 | length 3.7
  Top w0.203: R62.1@119.452,10.526 120.18,11.254 121.604,11.254 122.132,10.726 T6.2@122.678,10.726
NetR62_2: R62.2 R102.2 T6.3 T6.5 | length 6.9
  Top w0.203: R62.2@121.052,10.526 121.865,10.526 122.165,10.226 T6.3@122.678,10.226 122.657,10.204 v1(122.657,9.754) ; T6.5@124.258,10.726 124.339,10.645 125.396,10.645 R102.2@125.415,10.626 125.415,9.997 v1(125.324,9.906)
  L3 w0.203: v1(122.657,9.754) 122.809,9.906 v1(125.324,9.906)
NetR70_1: R70.1 T1.1 | length 1.5
  Bot w0.152: R70.1@104.281,13.198 104.281,11.739 T1.1@104.329,11.691
NetR71_1: R71.1 T3.1 | length 1.5
  Bot w0.152: T3.1@100.205,11.633 R71.1@100.205,13.154
NetR80A_2: R80A.2 R81A.1 R82A.2 | length 3.3
  Bot w0.203: R82A.2@27.401,85.144 R80A.2@27.401,86.644 27.621,86.864 R81A.1@29.081,86.864
NetR80B_2: R80B.2 R81B.1 R82B.2 | length 3.3
  Bot w0.203: R82B.2@27.067,68.179 R80B.2@27.067,69.679 27.287,69.899 R81B.1@28.747,69.899
NetR83A_1: R83A.1 SW1A.4 | length 5
  Top w0.152: v1(28.181,77.043) SW1A.4@28.181,78.074
  Bot w0.152: R83A.1@24.247,77.174 28.05,77.174 v1(28.181,77.043)
NetR83B_1: R83B.1 SW1B.4 | length 4.1
  Top w0.152: v1(14.681,62.937) 14.681,61.747 16.458,61.747 SW1B.4@16.5,61.789
  Bot w0.152: R83B.1@14.62,61.929 14.62,62.876 v1(14.681,62.937)
NetR87A_2: R87A.2 R88A.1 R89A.2 | length 5
  Bot w0.152: R88A.1@26.851,82.644 28.261,81.234 R89A.2@28.401,81.234 28.401,80.493 28.196,80.287 27.817,80.287 27.698,80.168 27.698,79.789 27.543,79.634 R87A.2@26.901,79.634
NetR87B_2: R87B.2 R88B.1 R89B.2 | length 4.7
  Bot w0.152: R88B.1@26.517,65.679 27.927,64.27 R89B.2@28.067,64.27 27.129,63.332 26.567,63.332 R87B.2@26.567,62.67
NetR92_2: R92.2 T4.3 | length 1.8
  Top w0.127: R92.2@11.22,82.294 11.51,82.584 T4.3@12.85,82.584
NetR101_2: R101.2 T5.4 T6.6 | length 10.9
  Top w0.203: R101.2@118.918,4.691 122.009,4.691 123.744,6.427 123.744,11.226 T6.6@124.258,11.226
NetR142_1: R142.1 R143.2 | length 1.3
  Bot w0.254: R143.2@130.442,36.091 130.462,36.091 130.625,35.928 130.625,35.908 130.696,35.837 R142.1@130.696,34.951
NetR162A_2: R162A.2 R170A.2 | length 2.2
  Top w0.203: v1(41.911,76.6) 42.226,76.6 R162A.2@42.668,77.043
  Bot w0.203: v1(41.911,76.6) 42.268,76.6 42.668,77.001 R170A.2@42.668,77.043 R170A.2@42.431,76.806
NetR162B_2: R162B.2 R170B.2 | length 2.2
  Top w0.203: v1(41.576,59.636) 41.891,59.636 R162B.2@42.334,60.078
  Bot w0.203: v1(41.576,59.636) 41.934,59.636 42.334,60.036 R170B.2@42.334,60.078 R170B.2@42.097,59.841
NetRN1A_4: RN1A.4 RN1A.8 | length 7.7
  Bot w0.203: RN1A.4@35.517,85.335 37.177,85.335 38.101,84.412 38.101,83.243 39.818,81.525 RN1A.8@40.917,81.525
NetRN1A_5: RN1A.5 RN1A.6 | length 1.3
  Bot w0.203: RN1A.6@40.917,84.065 RN1A.5@40.917,85.335
NetRN1B_4: RN1B.4 RN1B.8 | length 7.7
  Bot w0.203: RN1B.4@35.183,68.37 36.843,68.37 37.766,67.447 37.766,66.246 39.452,64.56 RN1B.8@40.583,64.56
NetRN1B_5: RN1B.5 RN1B.6 | length 1.3
  Bot w0.203: RN1B.6@40.583,67.1 RN1B.5@40.583,68.37
NetRN3_1: RN3.1 RN3.2 | length 1.3
  Bot w0.203: RN3.2@34.897,89.301 RN3.1@36.167,89.301
NetRN3_4: RN3.4 RN3.8 | length 10.8
  Bot w0.203: RN3.4@32.357,89.301 32.357,90.158 33.022,90.824 33.022,95.632 33.141,95.751 36.068,95.751 36.167,95.652 RN3.8@36.167,94.701
NetRN5A_1: RN5A.1 RN5A.6 | length 7.3
  Bot w0.127: RN5A.1@31.797,53.91 32.037,53.67 32.037,50.168 32.635,49.57 34.135,49.57 34.337,49.368 RN5A.6@34.337,48.51
NetRN5B_1: RN5B.1 RN5B.6 | length 7.3
  Bot w0.127: RN5B.1@31.752,42.972 31.752,40.225 31.935,40.042 31.935,39.287 32.59,38.632 34.09,38.632 34.292,38.43 RN5B.6@34.292,37.572
NRST: D1.1 IC9.25 JP1.10 R13.2 R14.1 | length 47.6
  Top w0.127: R13.2@92.159,30.284 92.151,30.284 91.924,30.058 JP1.10@91.924,28.4 93.417,28.4 v1(93.439,28.423) ; v1(95.749,46.684) 102.996,46.684 103.087,46.774 IC9.25@103.134,46.727 104.99,46.727 106.463,48.2 114.51,48.2 115.906,46.804 115.906,46.515 D1.1@116.167,46.253 116.167,46.082 116.429,45.821 116.6,45.821 116.739,45.681 R14.1@116.739,44.727
  Bot w0.127: v1(93.439,28.423) 93.439,29.747 93.185,30.001 93.185,31.775 93.734,32.324 93.734,33.679 93.719,33.695 93.719,34.059 93.734,34.075 93.734,37.57 92.828,38.476 92.828,38.841 93.35,39.363 93.35,44.284 v1(95.749,46.684)